# Altium PCB TE0722.Pcbdoc (part 1 of 2)
Units mm, origin at the board's own origin, x right, y up, seen from the top; angles counter-clockwise.
Board outline 17.9 x 51 mm, 6 copper layers (L 01, L 02, L 03, L 04, L 05, L 06), stack 0.726 mm thick; 69 components, 109 nets, 489 pads, 153 vias.
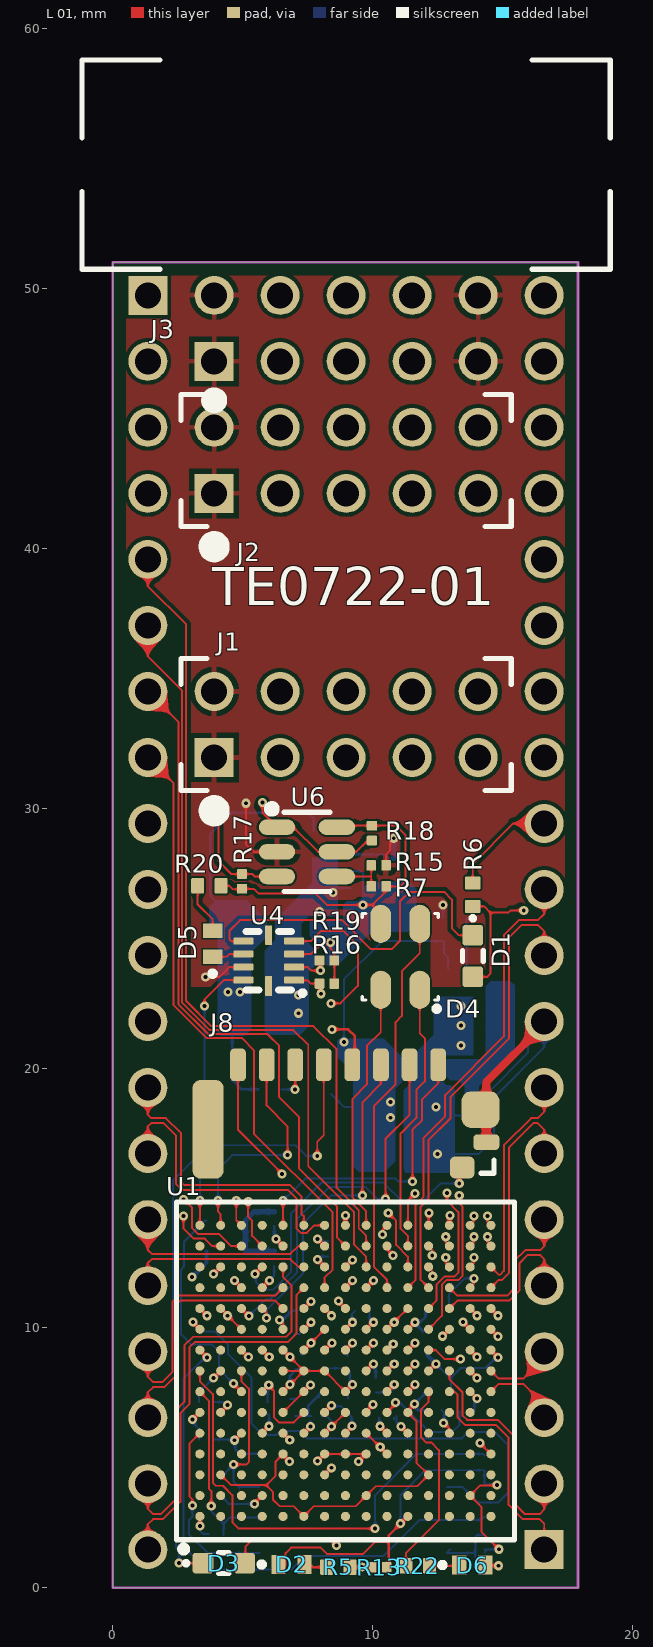
[diagram p0: L 01 view]
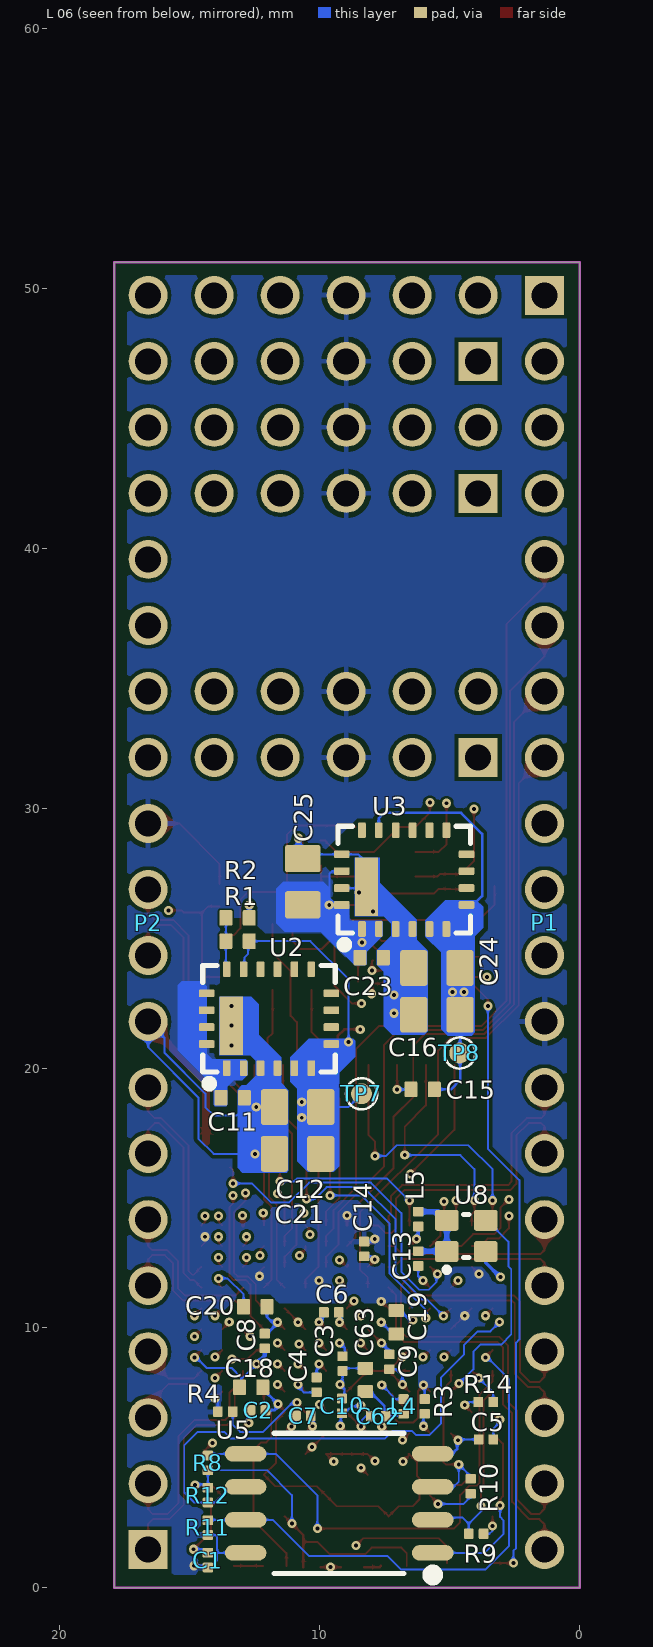
[diagram p1: L 06 view, seen from below]
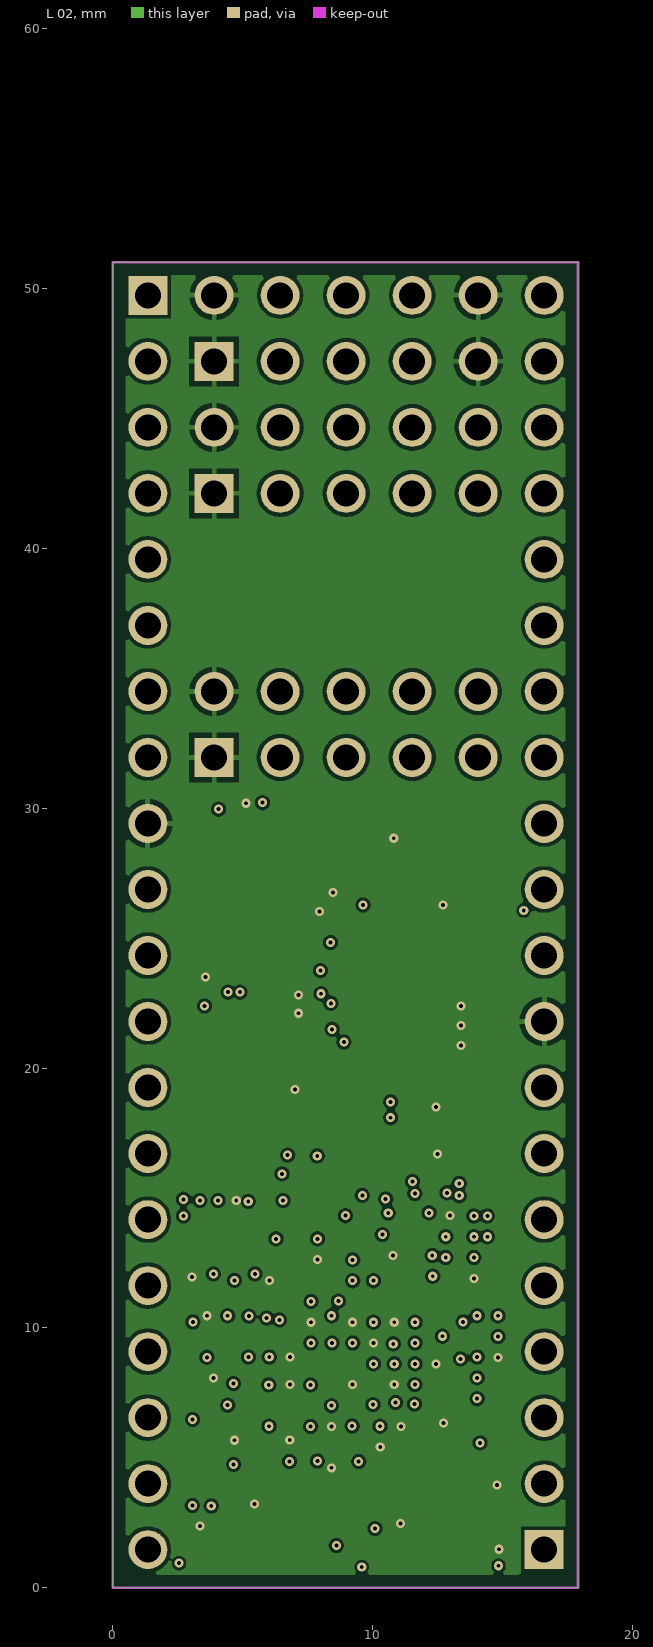
[diagram p2: L 02]
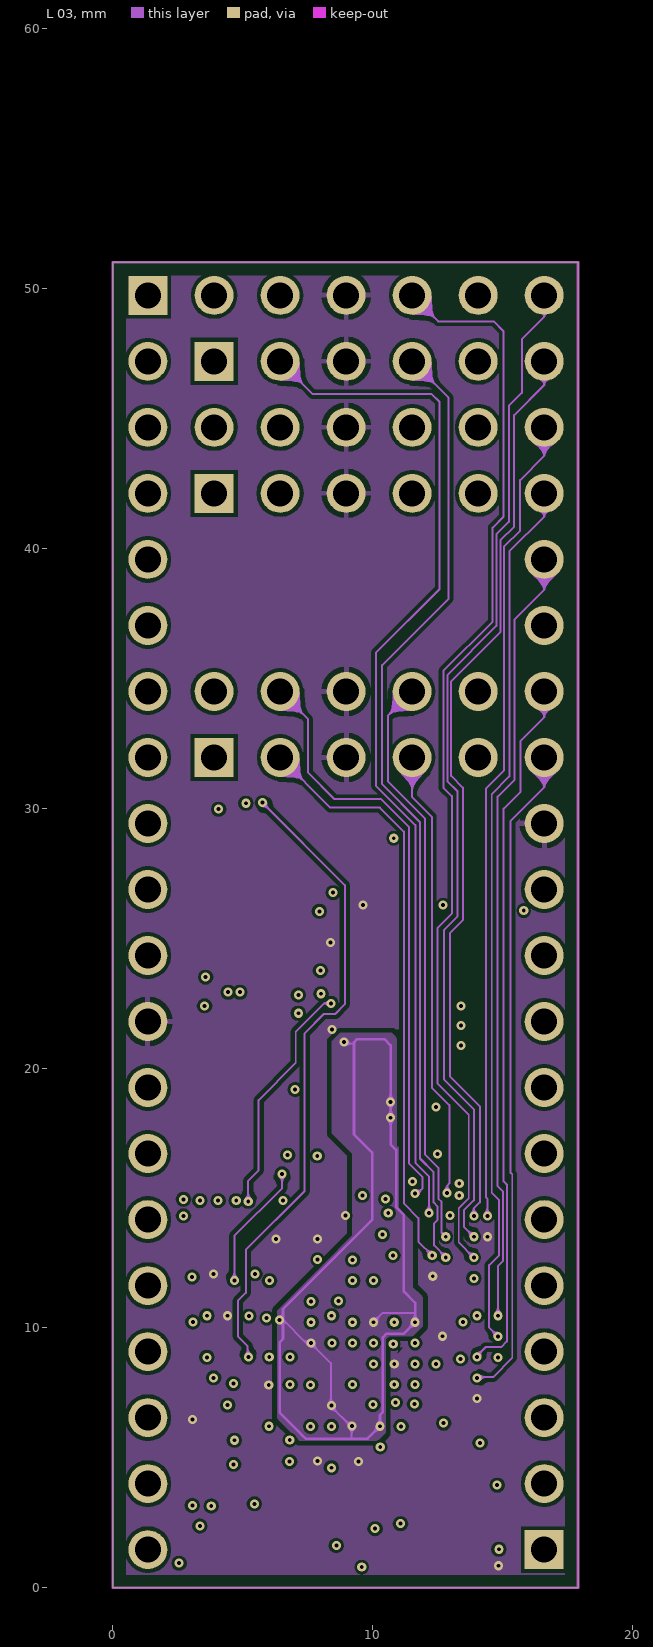
[diagram p3: L 03]
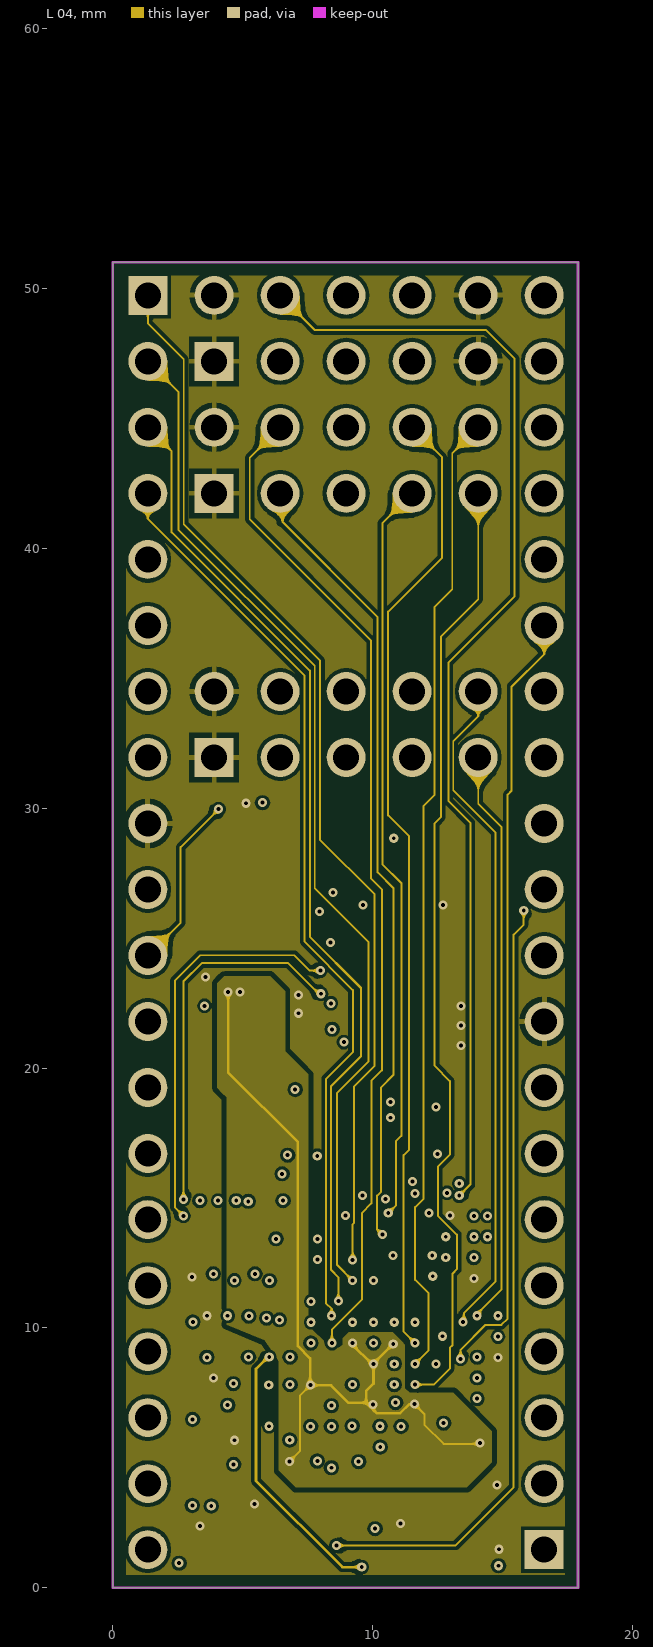
[diagram p4: L 04]
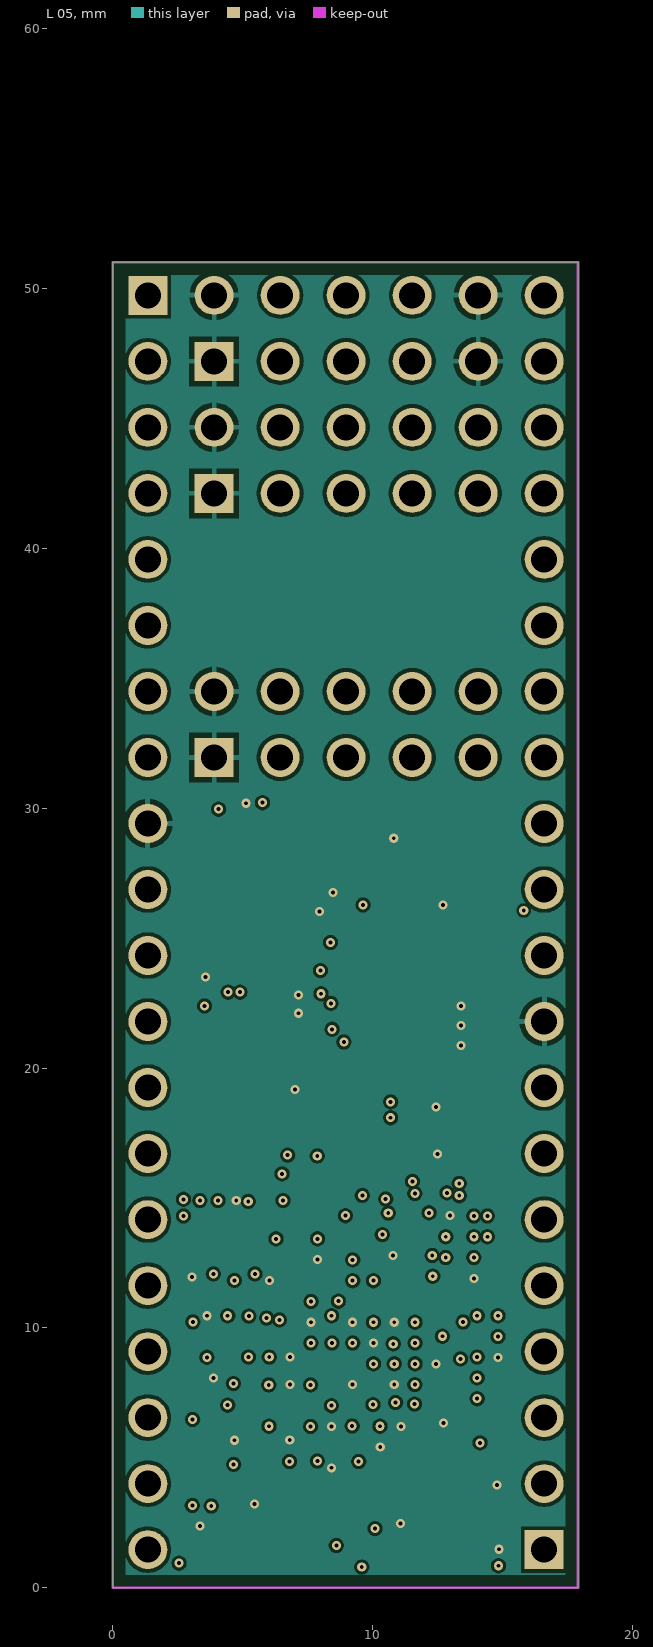
[diagram p5: L 05]

## Layer stack, top to bottom
Top Solder: solder mask 0.0102, Solder Resist, Dk 3.5
L 01: signal copper 0.012
Dielectric1: prepreg 0.11, FR-4, Dk 4.2
L 02: signal copper 0.018
Dielectric3: core 0.15, FR-4, Dk 4.2
L 03: signal copper 0.018
Dielectric2: prepreg 0.11, FR-4, Dk 4.2
L 04: signal copper 0.018
Dielectric5: core 0.15, FR-4, Dk 4.2
L 05: signal copper 0.018
Dielectric6: prepreg 0.11, FR-4, Dk 4.2
L 06: signal copper 0.012
Bottom Solder: solder mask 0.0102, Solder Resist, Dk 3.5

## Board outline
0,0 17.9,0 17.9,51 0,51

## Design rules (kind name [scope] priority, off if disabled: settings)
Clearance Clearance_keep-out [OnLayer('Keep-Out Layer')] p1: gap=0.45
Clearance [All] p2: gap=0.075 except(0.11: Arc-Via THPad-Via Via-Via Via-Poly SMDPad-Via Track-Via Fill-Poly; 0.15: Track-Poly THPad-Poly; 0.2: Poly-Poly Poly-Region)
ComponentClearance "ComponentClearance_J2PM\"" [(InComponent('J2')) vs (InComponent('PM2'))] p1: gap=-4 collisioncheckmode=3 verticalgap=-1 showdistances=FALSE
ComponentClearance ComponentClearance_H3U7 [(InComponent('H3')) vs (InComponent('U7'))] p2: gap=-0.5 collisioncheckmode=3 verticalgap=-1 showdistances=FALSE
ComponentClearance ComponentClearance_-0.5mm [HasFootprint('FIDU-DOT - small') OR HasFootprint('NetTieTOP_D35mm')or HasFootprint('MHole3_2mm')] p3: gap=-0.5 collisioncheckmode=3 verticalgap=-0.013 showdistances=FALSE
ComponentClearance [All] p4: gap=-0.05 collisioncheckmode=3 verticalgap=0.5 showdistances=TRUE
DiffPairsRouting [All] p1: maxlimit=1 minlimit=0.12 mostfreqgap=1 toplayer_maxgap=0.12 toplayer_prefgap=0.12 toplayer_minwidth=0.075 toplayer_maxwidth=0.1 toplayer_prefwidth=0.1 midlayer1_mingap=0.16 midlayer1_maxgap=0.16 midlayer1_prefgap=0.16 midlayer1_minwidth=0.1 midlayer1_maxwidth=0.1 midlayer1_prefwidth=0.1 midlayer2_mingap=1 midlayer2_minwidth=0.381 midlayer2_maxwidth=0.381 midlayer2_prefwidth=0.381 midlayer5_mingap=1 midlayer5_minwidth=0.381 midlayer5_maxwidth=0.381 midlayer5_prefwidth=0.381 midlayer6_mingap=1 midlayer6_minwidth=0.381 midlayer6_maxwidth=0.381 midlayer6_prefwidth=0.381 bottomlayer_maxgap=0.12 bottomlayer_prefgap=0.12 bottomlayer_minwidth=0.075 bottomlayer_maxwidth=0.1 bottomlayer_prefwidth=0.1 maxuncoupledlength=30
FabricationTestPointUsage TestPointUsage [All] p1: valid=0 allowmultiple=FALSE
FabricationTestpoint Testpoint [(IsPad And (OnTopLayer Or OnBottomLayer))] p1: side=3 testpointundercomponent=TRUE minsize=1.016 maxsize=2.54 preferedsize=1.524 minholesize=0 maxholesize=1.016 preferedholesize=0.813 testpointgrid=0.025 allowsidetop=TRUE allowsidebottom=TRUE usegrid=TRUE gridtolerance=0
FanoutControl Fanout_Small [All] p1 off: bgadir=Out bgaviamode=Centered fanoutstyle=Auto fanoutdirection=Alternating viagrid=0.025 // Protel DXP Scope 1 Expression Was: (CompPinCount < 5)   Fanout_Small (Default Rule)
FanoutControl Fanout_Default [All] p2: bgadir=Out bgaviamode=Centered fanoutstyle=Auto fanoutdirection=Alternating viagrid=0.025 // Fanout_Default (Default Rule)
FanoutControl Fanout_SOIC [All] p3 off: bgadir=Out bgaviamode=Centered fanoutstyle=Auto fanoutdirection=Alternating viagrid=0.025 // Protel DXP Scope 1 Expression Was: IsSOIC   Fanout_SOIC (Default Rule)
FanoutControl Fanout_BGA [All] p4 off: bgadir=Out bgaviamode=Centered fanoutstyle=Auto fanoutdirection=Alternating viagrid=0.025 // Protel DXP Scope 1 Expression Was: IsBGA   Fanout_BGA (Default Rule)
FanoutControl Fanout_LCC [All] p5 off: bgadir=Out bgaviamode=Centered fanoutstyle=Auto fanoutdirection=Alternating viagrid=0.025 // Protel DXP Scope 1 Expression Was: IsLCC   Fanout_LCC (Default Rule)
HoleSize [All] p1: absolutevalues=TRUE maxlimit=4 minlimit=0.15 maxpercent=80.000 minpercent=20.000
Length Lendht22mm [(InDifferentialPairClass('Lendht22mm'))] p1: maxlimit=22.2 minlimit=21.8
MatchedLengths "MatchedLengthsInDifPair< 0.5mm" [(InNetClass('D100-15') OR InNetClass('D100-25'))] p1: tolerance=0.5 checknetsindiffpair=TRUE checkdiffpairvsdiffpair=FALSE checkothers=FALSE
MatchedLengths "MatchedLengthsInDifPair< 1.5mm" [InAnyDifferentialPair] p2: tolerance=1.5 checknetsindiffpair=TRUE checkdiffpairvsdiffpair=FALSE checkothers=FALSE
MatchedLengths MatchedLengthsMCB_150Mil [InNetClass('MatchLendht150Mil') AND ((InNetClass('MCB1') OR InNetClass('MCB3')))] p3 off: tolerance=2.54 checknetsindiffpair=TRUE checkdiffpairvsdiffpair=TRUE checkothers=TRUE
MatchedLengths MatchedLengths300mil [InNetClass('MatchLendht300Mil')] p4 off: tolerance=2.54 checknetsindiffpair=FALSE checkdiffpairvsdiffpair=TRUE checkothers=TRUE
MinimumAnnularRing [All] p1: minimumring=0.099
MinimumSolderMaskSliver [All] p1 off: minsoldermaskwidth=0.01
PermittedLayers PermittedLayers-CAP3225 [(HasFootprint('CAPC3216N'))] p1: toplayerpermitted=TRUE bottomlayerpermitted=FALSE
PlaneClearance [All] p1: clearance=0.25
PlaneConnect PlaneConnect_Via [IsVia] p1: planeconnectstyle=Direct reliefexpansion=0.508 reliefentries=4 reliefconductorwidth=0.254 reliefairgap=0.254
PlaneConnect [All] p2: planeconnectstyle=Relief reliefexpansion=0.5 reliefentries=4 reliefconductorwidth=0.2 reliefairgap=0.25
PolygonConnect PolygonConnect_TopRilief [InPolygonClass('TopConnect')] p1: connectstyle=Relief reliefconductorwidth=0.254 reliefentries=4 polygonreliefangle="90 Angle" airgapwidth=0.2
PolygonConnect PolygonConnect_Direct [(HasFootprint('MHole2_7mm')) or IsVia or InComponent('H1') or InComponent('H2') or InComponent('H3') or InComponent('H4')] p2: connectstyle=Direct reliefconductorwidth=0.254 reliefentries=4 polygonreliefangle="90 Angle" airgapwidth=0.254 // Protel DXP Scope 1 Expression Was: IsVia
PolygonConnect [All] p3: connectstyle=Relief reliefconductorwidth=0.2 reliefentries=4 polygonreliefangle="90 Angle" airgapwidth=0.2
RoutingVias [All] p1: holewidth=0.25 width=0.5 viastyle="Through Hole" minholewidth=0.15 minwidth=0.3 maxholewidth=1 maxwidth=1.5
SMDNeckDown SMDNeckDown_80% [All] p1: percent=80.000
SMDToPlane [All] p1: distance=39370
SilkToSilkClearance [All] p1: silktosilkclearance=0.01
SilkToSolderMaskClearance SilkscreenOverComponentPads [IsPad] p1 off: minsilkscreentomaskgap=0.01 clearancetoexposedcopper=TRUE
SolderMaskExpansion SolderMaskExpansion_Via [IsVia] p1: expansion=-0.1
SolderMaskExpansion [All] p2: expansion=0
UnpouredPolygon [All] p1: allowunpoured=FALSE
Width Width_All_Differential_Pairs [(InDifferentialPairClass('All Differential Pairs'))] p1: maxlimit=1 minlimit=0.075 preferedwidth=1 toplayer_maxwidth=0.12 toplayer_prefwidth=0.1 midlayer1_minwidth=0.1 midlayer1_maxwidth=0.1 midlayer1_prefwidth=0.1 midlayer2_minwidth=1 midlayer5_minwidth=1 midlayer6_minwidth=1 bottomlayer_maxwidth=0.12 bottomlayer_prefwidth=0.1 minimp=50.000000 maximp=50.000000 favimp=50.000000
Width Logo [(InComponent('LOGO*'))] p2: maxlimit=0.254 minlimit=0.001 preferedwidth=0.254 // Protel DXP Scope 1 Expression Was: (InComponent('LOGO?'))
Width All [All] p3: maxlimit=3 minlimit=0.075 preferedwidth=0.1 minimp=50.000000 maximp=50.000000 favimp=50.000000
14 further rules are at their usual default settings.

## Classes and differential pairs
net class SD: MIO28 MIO29 MIO30 MIO31 MIO32 MIO33 NetJ8_4 NetJ8_6
net class MIO1: MIO34 MIO35 MIO36 MIO37 MIO38 MIO39 MIO48 MIO49 MIO52 MIO53
differential pair class Lendht22mm: MCB1_DRAM_CK MCB1_DRAM_DQS MCB1_DRAM_UDQ MCB3_DRAM_CK MCB3_DRAM_DQS MCB3_DRAM_UDQ
component class POWER: C11 C12 C23 C24 C25 R1 R2 R7 R15 R17 R18 U2 U3 U6
component class FPGA_B34: U1
component class FPGA_MIO: C1 C13 D1 D2 D3 D5 L5 R5 R6 R8 R9 R10 R11 R12 R13 R14 R16 R19 R20 U4 U5 U8
net class B34: B34_L12_N B34_L12_P B34_L13_N B34_L13_P B34_L17_N B34_L17_P B34_L20_N B34_L20_P B34_L22_N B34_L22_P P0 P1 P2 P3 P4 P5 P6 P7 P24 P25 P26 P27 P28 P29 P30 P31 PWM RGB_B RGB_G RGB_R X1A X1B X1C X1D X2A X2B X2C X2D X2E X2F
net class B35: B35_L1_N B35_L1_P B35_L2_N B35_L2_P B35_L3_N B35_L3_P B35_L5_N B35_L5_P
net class QSPI: SPI-CS SPI-DQ1/M1 SPI-DQ2/M2 SPI-DQ3/M3 SPI-DQO/M0 SPI-SCK
component class FPGA_PWR: C2 C3 C4 C5 C6 C7 C8 C9 C10 C14 C15 C16 C18 C19 C20 C21 C62 C63 D6 L4 R3 R4 R22 TP7 TP8
net class JTAG: TCK TDI TDO TMS
component class TE0722: D4 J1 J2 J3 J8 P1 P2
differential pair B35_L5: +B35_L5_P -B35_L5_N
differential pair B35_L3: +B35_L3_P -B35_L3_N
differential pair B35_L2: +B35_L2_P -B35_L2_N
differential pair B35_L1: +B35_L1_P -B35_L1_N
differential pair B34_L12: +B34_L12_P -B34_L12_N
differential pair B34_L13: +B34_L13_P -B34_L13_N
differential pair B34_L17: +B34_L17_P -B34_L17_N
differential pair B34_L20: +B34_L20_P -B34_L20_N
differential pair B34_L22: +B34_L22_P -B34_L22_N

## Components (designator, comment, footprint, x,y, rotation, side; value= is the part's Value field where it differs from the comment)
C1 "470nF" CAPC0603X33N 14.3,1.07 r90 bottom
C2 "470nF" CAPC0603X33N 12.37,6.84 r180 bottom
C3 "470nF" CAPC0603X33N 9.12,8.63 r270 bottom
C4 "470nF" CAPC0603X33N 10.12,7.81 r90 bottom
C5 "470nF" CAPC0603X33N 3.6,5.71 r180 bottom
C6 "470nF" CAPC0603X33N 9.55,10.6 r0 bottom
C7 "470nF" CAPC0603X33N 10.625,6.62 r180 bottom
C8 "470nF" CAPC0603X33N 12.11,9.5 r90 bottom
C9 "470nF" CAPC0603X33N 7.32,8.7 r90 bottom
C10 "470nF" CAPC0603X33N 9.14,7 r270 bottom
C11 "4.7µF" CAPC1005X60N 13.35,18.86 r180 bottom
C12 "47µF" CAPC2012X135N 10.85,18.5 r0 bottom
C13 "470nF" CAPC0603X33N 6.21,12.67 r270 bottom
C14 "470nF" CAPC0603X33N 8.29,13.04 r90 bottom
C15 "4.7µF" CAPC1005X60N 6.04,19.18 r0 bottom
C16 "47µF" CAPC2012X135N 5.487,22.05 r0 bottom
C18 "4.7µF" CAPC1005X60N 12.64,7.72 r0 bottom
C19 "4.7µF" CAPC1005X60N 7.06,10.22 r270 bottom
C20 "4.7µF" CAPC1005X60N 12.48,10.82 r0 bottom
C21 "47µF" CAPC2012X135N 10.85,16.7 r0 bottom
C23 "4.7µF" CAPC1005X60N 8,24.25 r180 bottom
C24 "47µF" CAPC2012X135N 5.487,23.85 r0 bottom
C25 "47µF" CAPC2012X135N 10.65,27.17 r90 bottom
C62 "470nF" CAPC0603X33N 7.75,6.61 r180 bottom
C63 "4.7µF" CAPC1005X60N 8.24,8 r270 bottom
D1 "Chip LED 0603 Super Red" chipLED_0603_Red 13.85,24.31 r270 top
D2 "LED Green SML-P11MTT86" LEDC1006X25N_GREEN 6.88,0.9 r180 top
D3 "Chip LED 0603 Super Red" chipLED_0603_Red 4.27,0.95 r0 top
D4 "LED, RGB, 3528 PLCC" PLCC150P360X280X190-4N 11.06,24.28 r180 top locked
D5 "LED Red SML-P11UTT86" LEDC1006X25N_RED 3.842,24.783 r270 top
D6 "LED Red SML-P11UTT86" LEDC1006X25N_RED 13.83,0.88 r180 top
J1 "Pin Header 2.54 2Row 10Pins" "STIFTLEISTE2_54 OG 2R-10" 8.98,33.22 r0 top locked
J2 "Pin Header 2.54 2Row 10Pins" "STIFTLEISTE2_54 OG 2R-10" 8.98,43.38 r0 top locked
J3 "WANNE2,54-10-90" WANNE2,54-10-90 8.98,48.46 r0 top locked
J8 "microSD Card Header with Detect Switch" 47309-2651 9.02,18.15 r0 top locked
L4 "BKP0603HS121-T" INDC0603X33N 6.77,6.98 r270 bottom
L5 "BKP0603HS121-T" INDC0603X33N 6.21,14.19 r90 bottom
P1 "con_20pin" con_20p254 1.35,25.6 r270 bottom locked
P2 "con_20pin" con_20p254 16.6,25.6 r90 bottom locked
R1 "200K" RESC1005X40N 13.16,24.88 r0 bottom
R2 "301K" RESC1005X40N 13.16,25.78 r180 bottom
R3 "4K7" RESC0603X26N 5.96,6.98 r90 bottom
R4 "4K7" RESC0603X26N 13.63,6.78 r0 bottom
R5 "470R" RESC1005X40N 8.68,0.8 r0 top
R6 "33R" RESC1005X40N 13.85,26.67 r90 top
R7 "19K1" RESC0603X26N 10.23,26.99 r0 top
R8 "19K1" RESC0603X26N 14.3,4.81 r270 bottom
R9 "19K1" RESC0603X26N 3.98,2.08 r180 bottom
R10 "19K1" RESC0603X26N 4.19,3.91 r270 bottom
R11 "19K1" RESC0603X26N 14.3,2.32 r270 bottom
R12 "19K1" RESC0603X26N 14.3,3.57 r90 bottom
R13 "19K1" RESC0603X26N 10.25,0.8 r0 top
R14 "19K1" RESC0603X26N 3.61,7.15 r180 bottom
R15 "10K" RESC0603X26N 10.23,27.8 r180 top
R16 "10K" RESC0603X26N 8.24,23.25 r0 top
R17 "19K1" RESC0603X26N 4.97,27.18 r270 top
R18 "19K1" RESC0603X26N 9.97,29.04 r90 top
R19 "10K" RESC0603X26N 8.24,24.14 r0 top
R20 "470R" RESC1005X40N 3.718,27.012 r180 top
R22 "470R" RESC1005X40N 11.73,0.85 r180 top
TP7 "Testpoint 0.8mm" TP_0.8mm 8.39,19.01 r90 bottom
TP8 "Testpoint 0.8mm" TP_0.8mm 4.61,20.58 r90 bottom
U1 "XC7Z010-1CLG225C" CLG225 8.95,8.35 r90 top locked
U2 "EN5311QI" EN5311QI 11.95,21.9 r90 bottom
U3 "EN5311QI" EN5311QI 6.75,27.25 r90 bottom
U4 "Si1143-A11-GMR" QFN50P200X200X75-10N 6,24.13 r180 top
U5 "S25FL127SABMFV10" SOIC127P790X216-8N 9.25,3.25 r0 bottom locked
U6 "TPS3106K33DBVR" SOT95P280X145-6N 7.47,28.32 r0 top
U8 "SiT8008AI-73-XXS-33.333333E" 2016 4.36,13.54 r90 bottom

## Footprints (in the part's own frame and the unit in brackets; to place one, negate y for a bottom-side part, rotate by r counter-clockwise, add the part's x,y. Pads: shape width x height; smd on the part's side, far side on the other; paste and mask are expansions set on the pad)
2016 [mm]
  rrect20% 0.8x0.9 smd: 1(-0.6,0.75) 2(-0.6,-0.75) 3(0.6,-0.75) 4(0.6,0.75)
  silkscreen extent -1.4,-0.1 0.82,0.85, body extent -0.82,-1.02 0.82,1.03, height 0.81
47309-2651 [mm]
  rrect50% 0.6x1.25 smd: 1(3.498,1.975) 2(2.398,1.975) 3(1.298,1.975) 4(0.198,1.975) 5(-0.903,1.975) 6(-2.003,1.975) 7(-3.103,1.975) 8(-4.203,1.975)
  rrect50% 1.2x3.79 smd: G1(-5.352,-0.505)
  rrect50% 1.45x1.4 smd: G2(5.127,0.25)
  rrect50% 1x0.6 smd: G3(5.352,-1)
  rrect50% 0.95x0.85 smd: G4(4.423,-1.975)
  silkscreen extent 5.15,-2.2 5.65,-1.7, body extent -5.75,-12 5.8,3.3, height 3.75
CAPC0603X33N [mm]
  rrect20% 0.37x0.4 smd: 1(-0.285,0) 2(0.285,0)
  body extent -0.3,-0.15 0.3,0.15, height 0.29
CAPC1005X60N [mm] "Vishay VJ0402 1 x 0.5mm (+/- 0.05), 0.25mm +0.05/-0.1mm Kontakte"
  rrect20% 0.5x0.6 smd: 1(-0.45,0) 2(0.45,0)
  body extent -0.5,-0.25 0.5,0.25, height 0.5
CAPC2012X135N [mm] "Vishay VJ0805 2 x 1.25 +/- 0.15, 0.5 +/- 0,2 Kontakte"
  rrect20% 1.05x1.38 smd: 1(-0.89,0) 2(0.89,0)
  body extent -1,-0.62 1,0.63, height 1.35
chipLED_0603_Red [mm]
  rrect30% 0.8x0.8 smd: A(0.8,0) K(-0.8,0)
  silkscreen extent -1.49,-0.4 0.2,0.4, body extent -0.8,-0.4 0.8,0.4, height 0.7
CLG225 [mm] "BGA, 225-Balls, Body 13x13mm, Pitch 0.8mm"
  round 0.35 smd: A1(-5.6,5.6) A2(-4.8,5.6) A3(-4,5.6) A4(-3.2,5.6) A5(-2.4,5.6) A6(-1.6,5.6) A7(-0.8,5.6) A8(0,5.6) A9(0.8,5.6) A10(1.6,5.6) A11(2.4,5.6) A12(3.2,5.6) A13(4,5.6) A14(4.8,5.6) A15(5.6,5.6) B1(-5.6,4.8) B2(-4.8,4.8) B3(-4,4.8) B4(-3.2,4.8) B5(-2.4,4.8) B6(-1.6,4.8) B7(-0.8,4.8) B8(0,4.8) B9(0.8,4.8) B10(1.6,4.8) B11(2.4,4.8) B12(3.2,4.8) B13(4,4.8) B14(4.8,4.8) B15(5.6,4.8) C1(-5.6,4) C2(-4.8,4) C3(-4,4) C4(-3.2,4) C5(-2.4,4) C6(-1.6,4) C7(-0.8,4) C8(0,4) C9(0.8,4) C10(1.6,4) C11(2.4,4) C12(3.2,4) C13(4,4) C14(4.8,4) C15(5.6,4) D1(-5.6,3.2) D2(-4.8,3.2) D3(-4,3.2) D4(-3.2,3.2) D5(-2.4,3.2) D6(-1.6,3.2) D7(-0.8,3.2) D8(0,3.2) D9(0.8,3.2) D10(1.6,3.2) D11(2.4,3.2) D12(3.2,3.2) D13(4,3.2) D14(4.8,3.2) D15(5.6,3.2) E1(-5.6,2.4) E2(-4.8,2.4) E3(-4,2.4) E4(-3.2,2.4) E5(-2.4,2.4) E6(-1.6,2.4) E7(-0.8,2.4) E8(0,2.4) E9(0.8,2.4) E10(1.6,2.4) E11(2.4,2.4) E12(3.2,2.4) E13(4,2.4) E14(4.8,2.4) E15(5.6,2.4) F1(-5.6,1.6) F2(-4.8,1.6) F3(-4,1.6) F4(-3.2,1.6) F5(-2.4,1.6) F6(-1.6,1.6) F7(-0.8,1.6) F8(0,1.6) F9(0.8,1.6) F10(1.6,1.6) F11(2.4,1.6) F12(3.2,1.6) F13(4,1.6) F14(4.8,1.6) F15(5.6,1.6) G1(-5.6,0.8) G2(-4.8,0.8) G3(-4,0.8) G4(-3.2,0.8) G5(-2.4,0.8) G6(-1.6,0.8) G7(-0.8,0.8) G8(0,0.8) G9(0.8,0.8) G10(1.6,0.8) G11(2.4,0.8) G12(3.2,0.8) G13(4,0.8) G14(4.8,0.8) G15(5.6,0.8) H1(-5.6,0) H2(-4.8,0) H3(-4,0) H4(-3.2,0) H5(-2.4,0) H6(-1.6,0) H7(-0.8,0) H8(0,0) H9(0.8,0) H10(1.6,0) H11(2.4,0) H12(3.2,0) H13(4,0) H14(4.8,0) H15(5.6,0) J1(-5.6,-0.8) J2(-4.8,-0.8) J3(-4,-0.8) J4(-3.2,-0.8) J5(-2.4,-0.8) J6(-1.6,-0.8) J7(-0.8,-0.8) J8(0,-0.8) J9(0.8,-0.8) J10(1.6,-0.8) J11(2.4,-0.8) J12(3.2,-0.8) J13(4,-0.8) J14(4.8,-0.8) J15(5.6,-0.8) K1(-5.6,-1.6) K2(-4.8,-1.6) K3(-4,-1.6) K4(-3.2,-1.6) K5(-2.4,-1.6) K6(-1.6,-1.6) K7(-0.8,-1.6) K8(0,-1.6) K9(0.8,-1.6) K10(1.6,-1.6) K11(2.4,-1.6) K12(3.2,-1.6) K13(4,-1.6) K14(4.8,-1.6) K15(5.6,-1.6) L1(-5.6,-2.4) L2(-4.8,-2.4) L3(-4,-2.4) L4(-3.2,-2.4) L5(-2.4,-2.4) L6(-1.6,-2.4) L7(-0.8,-2.4) L8(0,-2.4) L9(0.8,-2.4) L10(1.6,-2.4) L11(2.4,-2.4) L12(3.2,-2.4) L13(4,-2.4) L14(4.8,-2.4) L15(5.6,-2.4) M1(-5.6,-3.2) M2(-4.8,-3.2) M3(-4,-3.2) M4(-3.2,-3.2) M5(-2.4,-3.2) M6(-1.6,-3.2) M7(-0.8,-3.2) M8(0,-3.2) M9(0.8,-3.2) M10(1.6,-3.2) M11(2.4,-3.2) M12(3.2,-3.2) M13(4,-3.2) M14(4.8,-3.2) M15(5.6,-3.2) N1(-5.6,-4) N2(-4.8,-4) N3(-4,-4) N4(-3.2,-4) N5(-2.4,-4) N6(-1.6,-4) N7(-0.8,-4) N8(0,-4) N9(0.8,-4) N10(1.6,-4) N11(2.4,-4) N12(3.2,-4) N13(4,-4) N14(4.8,-4) N15(5.6,-4) P1(-5.6,-4.8) P2(-4.8,-4.8) P3(-4,-4.8) P4(-3.2,-4.8) P5(-2.4,-4.8) P6(-1.6,-4.8) P7(-0.8,-4.8) P8(0,-4.8) P9(0.8,-4.8) P10(1.6,-4.8) P11(2.4,-4.8) P12(3.2,-4.8) P13(4,-4.8) P14(4.8,-4.8) P15(5.6,-4.8) R1(-5.6,-5.6) R2(-4.8,-5.6) R3(-4,-5.6) R4(-3.2,-5.6) R5(-2.4,-5.6) R6(-1.6,-5.6) R7(-0.8,-5.6) R8(0,-5.6) R9(0.8,-5.6) R10(1.6,-5.6) R11(2.4,-5.6) R12(3.2,-5.6) R13(4,-5.6) R14(4.8,-5.6) R15(5.6,-5.6)
  silkscreen extent -6.98,-6.5 6.5,6.5, body extent -6.5,-6.5 6.5,6.5, height 1.51
con_20p254 [mm]
  rect 1.5x1.5 hole 1: 1(-24.13,0)
  round 1.5 hole 1: 2(-21.59,0) 3(-19.05,0) 4(-16.51,0) 5(-13.97,0) 6(-11.43,0) 7(-8.89,0) 8(-6.35,0) 9(-3.81,0) 10(-1.27,0) 11(1.27,0) 12(3.81,0) 13(6.35,0) 14(8.89,0) 15(11.43,0) 16(13.97,0) 17(16.51,0) 18(19.05,0) 19(21.59,0) 20(24.13,0)
  body extent -25.3,-1.25 25.5,1.25, height 6.2
EN5311QI [mm]
  rrect33% 0.6x0.3 smd: 1(-1.9,1.625) 2(-1.9,0.975) 3(-1.9,0.325) 4(-1.9,-0.325) 5(-1.9,-0.975) 6(-1.9,-1.625) 11(1.9,-1.625) 12(1.9,-0.975) 13(1.9,-0.325) 14(1.9,0.325) 15(1.9,0.975) 16(1.9,1.625)
  rrect33% 0.3x0.6 smd: 7(-0.975,-2.4) 8(-0.325,-2.4) 9(0.325,-2.4) 10(0.975,-2.4) 17(0.975,2.4) 18(0.325,2.4) 19(-0.325,2.4) 20(-0.975,2.4)
  rect 2.25x0.9 smd: 21(-0.275,1.45)
  silkscreen extent -2.65,-2.55 2.05,2.55, body extent -2.05,-2.55 2.05,2.55, height 1.16
INDC0603X33N [mm]
  rrect20% 0.37x0.4 smd: 1(-0.285,0) 2(0.285,0)
  body extent -0.32,-0.17 0.32,0.17, height 0.33
LEDC1006X25N_GREEN [mm] "LED 0402, 2-Leads, Body 1,0x0,6mm, IPC Medium Density"
  rect 0.54x0.74 smd: A(-0.5,0) K(0.5,0)
  silkscreen extent 1.05,-0.1 1.25,0.1, body extent -0.51,-0.25 0.51,0.25, height 0.45
LEDC1006X25N_RED [mm] "LED 0402, 2-Leads, Body 1,0x0,6mm, IPC Medium Density"
  rect 0.54x0.74 smd: A(-0.5,0) K(0.5,0)
  silkscreen extent 1.05,-0.1 1.25,0.1, body extent -0.5,-0.25 0.51,0.25, height 0.45
PLCC150P360X280X190-4N [mm]
  oval 0.8x1.47 smd: 1(-0.75,1.27) 2(-0.75,-1.27) 3(0.75,-1.27) 4(0.75,1.27)
  silkscreen extent -1.5,-1.66 1.46,2.1, body extent -1.4,-1.75 1.4,1.75, height 1.9
QFN50P200X200X75-10N [mm] "QFN, 10-Leads, Body 2x2mm, Pitch 0.5mm"
  rrect20% 0.76x0.27 smd: 1(-0.975,0.75) 2(-0.975,0.25) 3(-0.975,-0.25) 4(-0.975,-0.75) 6(0.975,-0.75) 7(0.975,-0.25) 8(0.975,0.25) 9(0.975,0.75)
  rrect20% 0.27x0.76 smd: 5(0,-0.975) 10(0,0.975)
  silkscreen extent -1.36,-1.12 0.87,1.31, body extent -1,-1 1,1, height 0.76
RESC0603X26N [mm]
  rrect20% 0.37x0.4 smd: 1(-0.285,0) 2(0.285,0)
  body extent -0.34,-0.16 0.34,0.17, height 0.34
RESC1005X40N [mm] "Vishay D0402 1 x 0.5mm (+/- 0.05), 0.2mm +/-0.1mm Kontakte"
  rrect20% 0.5x0.6 smd: 1(-0.45,0) 2(0.45,0)
  body extent -0.5,-0.25 0.5,0.25, height 0.35
SOIC127P790X216-8N [mm]
  oval 1.6x0.6 smd: 1(-3.6,1.905) 2(-3.6,0.635) 3(-3.6,-0.635) 4(-3.6,-1.905) 5(3.6,-1.905) 6(3.6,-0.635) 7(3.6,0.635) 8(3.6,1.905)
  silkscreen extent -3.8,-2.7 2.5,2.95, body extent -4.05,-2.73 4.05,2.73, height 1.75
SOT95P280X145-6N [mm]
  oval 1.4x0.6 smd: 1(-1.15,0.95) 2(-1.15,0) 3(-1.15,-0.95) 4(1.15,-0.95) 5(1.15,0) 6(1.15,0.95)
  silkscreen extent -1.5,-1.53 0.87,1.8, body extent -1.52,-1.5 1.48,1.5, height 1.3
"STIFTLEISTE2_54 OG 2R-10" [mm]
  rect 1.5x1.5 hole 1: 1(-5.08,-1.27)
  round 1.5 hole 1: 2(-5.08,1.27) 3(-2.54,-1.27) 4(-2.54,1.27) 5(0,-1.27) 6(0,1.27) 7(2.54,-1.27) 8(2.54,1.27) 9(5.08,-1.27) 10(5.08,1.27)
  silkscreen extent -6.35,-3.62 6.35,2.54, body extent -6.35,-2.54 6.35,2.54, height 8.5
TP_0.8mm [mm]
  round 0.8 smd paste-1: 1(0,0)
  silkscreen extent -0.6,-0.6 0.6,0.6
WANNE2,54-10-90 [mm] "Connector; IDC, Low Profile Male Header, Thru-Hole; 10 Position; Vertical; Pitch 2.54 mm; Body 20.32 x 9.2 x 9.45 mm (LxWxH)"
  rect 1.5x1.5 hole 1: 1(-5.08,-1.27)
  round 1.5 hole 1: 2(-5.08,1.27) 3(-2.54,-1.27) 4(-2.54,1.27) 5(0,-1.27) 6(0,1.27) 7(2.54,-1.27) 8(2.54,1.27) 9(5.08,-1.27) 10(5.08,1.27)
  silkscreen extent -10.16,-3.02 10.16,10.32, body extent -10.16,-1.6 10.16,10.92, height 9.45

## Part data
C1 C2 C3 C4 C5 C6 C7 C8 C9 C10 C13 C14 C62: library part 24921, "KON 470nF X5R 6.3V SMD 20%"
C11 C15 C18 C19 C20 C23 C63: library part 24719, "KON 4.7µF 6.3V X5R SMD 20%"
C12 C16 C21 C24 C25: library part 24718, "KON 47µF 6,3V  X5R SMD 20%"
D1 D3: library part 25984
D2: library part 24211, "LED Grün SML-P11MTT86 SMD"
D4: library part 26299
D5 D6: library part 24212, "LED Rot SML-P11UTT86 SMD"
J1 J2: library part 22402, "Stiftleiste gerade 2-reihig, 10pol."
J3: library part 20605, "Stiftleiste Wanne 10polig 90°"
J8: library part 24994
L4 L5: library part 25393, "Ferritdurchführung SMD 0201"
P1 P2: library part con20p254, "con_20pin_254_1row"
R1: library part 23846, "WID SMD 200K 1% 0,063W"
R2: library part 26224, "WID SMD 301K 1% 0,063W"
R3 R4: library part 25242, "WID SMD 4K7 1% 0,05W"
R5 R20 R22: library part 22769, "WID SMD 470R 1% 0,063W"
R6: library part 22770, "WID SMD 33R 1% 0,063W"
R7 R8 R9 R10 R11 R12 R13 R14 R17 R18: library part 25053, "WID SMD 19K1 1% 0,05W"
R15 R16 R19: library part 24914, "WID SMD 10K 1% 0,05W"
TP7 TP8: library part 26289
U1: library part 26308
U2 U3: library part 25492
U4: library part 26318
U5: library part 26078, "S25FL127SABMFV10 automotive SO8"
U6: library part 26439
U8: library part 25023, "SiT8008AI-73-XXS-33.333333E MEMS Oszillator 33.333333MHz"

## Via types
v1: diameter 0.35, hole 0.15, L 01 to L 06, 153 vias

## Nets (pads, with @x,y where several pads share a name; then routed paths per layer and width w, separated by ;. In a path a pad name is that pad's centre, name@x,y a point inside that pad or via, vN(x,y) a via of type N, cw(c..) or ccw(c..) an arc to the next point about the centre after c; other vN are vias at no path point)
1.0V: C6.2 C7.2 C8.2 C9.2 C10.2 C12.1 C19.1 C20.1 C21.1 R1.1 TP7.1 U1.E10 U1.F9 U1.G6 U1.G10 U1.H5 U1.J10 U1.K5 U1.L10 U2.5 U2.6 U2.7 U2.15 | length 70.5
  L 01 w0.075: U1.F9@7.38,9.18 v1(7.62,9.42) U1.G10@8.15,9.95 ; U1.G6@8.15,6.75 v1(8.41,7.01) ; U1.H5@8.95,5.95 v1@9.22,6.22 ; U1.J10@9.75,9.95 v1@10.025,10.225 ; v1(10.28,6.22) U1.K5@10.55,5.95 ; U1.L10@11.35,9.95 v1@11.625,10.225
  L 01 w0.1: v1(6.41,10.31) 6.55,10.17 U1.E10@6.55,9.95
  L 03 w0.075: v1@6.55,10.32 7.45,9.42 v1(7.62,9.42) 8.39,8.65 8.39,6.99 9.19,6.19 9.19,5.74 ; v1(8.89,21) 8.96,21 9.025,20.935 9.225,20.935 ; v1@9.99,10.19 10.37,10.57 11.63,10.57
  L 03 w0.1: 9.28,17.48 9.28,17.45 ; 9.28,17.45 9.98,16.75 9.98,14.16 6.55,10.73 6.55,10.32 6.55,9.58 6.42,9.45 6.42,6.74 7.28,5.88 7.42,5.74 9.8,5.74 9.94,5.88 v1(10.28,6.22) 10.28,6.65 10.39,6.76 10.39,9.64 10.52,9.77 11.18,9.77 v1(11.63,10.22) 11.63,10.97 11.2,11.4 11.2,14.35 10.9,14.65 10.9,16.85 10.69,17.06 v1(10.69,18.09) v1(10.69,18.7) 10.69,20.87 10.45,21.11 9.4,21.11 9.28,20.99 9.28,17.45
  L 06 w0.075: C9.2@7.23,8.985 C9.2@7.32,8.985 C9.2@7.32,9.12 ; v1@8.39,6.99 8.775,6.99 9.19,6.575 v1@9.19,6.19 ; TP7.1@8.39,19.01 8.9,18.5 C12.1@9.96,18.5 ; v1(8.89,21) 8.89,23.41 10.36,24.88 R1.1@12.71,24.88 12.75,24.84 12.75,24.4 12.9,24.25 12.9,23.825 U2.15@12.925,23.8 ; v1@8.935,20.925 U2.7@9.55,20.925 ; C6.2@9.885,10.65 9.885,10.295 v1@9.99,10.19 ; C21.1@9.96,16.7 C12.1@9.96,18.5 ; C7.2@10.25,6.55 10.25,6.25 v1(10.28,6.22) 10.31,6.19 v1@10.39,6.27 ; U2.6@10.325,20 10.325,19.535 10.615,19.245 ; v1@10.81,18.7 v1(10.69,18.7) 10.16,18.7 C12.1@9.96,18.5 ; U2.5@10.975,20 10.975,19.605 10.615,19.245 ; 10.615,19.245 10.42,19.05 10.81,19.05 10.615,19.245
  L 06 w0.1: v1@6.55,10.32 6.9,10.67 C19.1@7.07,10.67 ; C9.2@7.32,9.12 v1(7.62,9.42) ; v1@11.59,10.19 v1@11.62,10.19 ; C20.1@12.03,10.82 12.03,10.43 11.79,10.19 v1@11.62,10.19 ; C8.2@12.175,9.89 11.92,9.89 v1@11.62,10.19
  other v1: 9.21,6.23 10.03,10.22
1.8V: C2.2 C3.1 C4.2 C15.1 C16.1 C18.1 C24.1 L4.1 TP8.1 U1.B3 U1.E4 U1.E6 U1.F1 U1.F7 U1.H9 U1.J2 U1.J6 U1.J8 U1.K9 U1.L6 U1.M3 U1.R4 U3.5 U3.6 U3.7 U3.15 | length 73.7
  L 01 w0.075: U1.B3@4.15,4.35 4.55,3.95 5.9,3.95 ; U1.E4@6.55,5.11 v1(6.8,4.86) ; U1.E6@6.55,6.75 U1.F7@7.335,7.535 ; U1.E4@6.59,5.15 U1.E4@6.55,5.15 6.262,4.862 6.262,4.312 5.9,3.95 ; U1.F7@7.35,7.55 v1(7.61,7.81) ; U1.H9@8.95,9.15 v1@9.225,9.425 ; U1.J6@9.75,6.75 9.75,6.79 v1(10.01,7.05) ; U1.J8@9.75,8.35 v1@10.025,8.625 ; U1.K9@10.55,9.15 v1(10.79,9.39) ; U1.L6@11.405,6.865 U1.L6@11.35,6.81 ; v1@11.57,7.09 v1@11.57,7.03 ; v1(11.61,7.07) v1@11.57,7.03 ; v1@14.125,5.575 U1.R4@14.55,5.15 ; 5.9,3.95 6.16,3.69 6.16,3.4 6.42,3.14 6.96,3.14 U1.F1@7.35,2.75 7.74,3.14 9.34,3.14 U1.J2@9.75,3.55 10.11,3.91 11.71,3.91 U1.M3@12.15,4.35 11.68,4.82 11.68,6.42 U1.L6@11.35,6.75 U1.L6@11.35,6.81 ; U1.L6@11.35,6.81 v1@11.57,7.03
  L 04 w0.075: v1(6.8,4.86) 7.2,5.26 7.2,7.4 7.59,7.79 v1(7.61,7.81) ; v1(11.61,7.07) 11.99,6.69 11.99,6.28 12.73,5.54 v1@14.16,5.54
  L 04 w0.1: v1(4.44,22.92) 4.44,19.83 7.12,17.15 7.12,9.3 7.59,8.83 7.59,7.79 8.4,7.79 9.07,7.12 9.75,7.12 ; v1@9.19,9.39 v1@9.99,8.59 ; v1(10.03,8.62) v1@10.03,8.55 ; v1@10.04,8.54 v1@10.03,8.55 ; v1(10.79,9.39) v1@9.99,8.59 ; v1(11.61,7.07) 11.41,7.07 11.06,6.72 10.15,6.72 9.75,7.12 ; 9.75,7.12 9.75,7.58 10.03,7.86 v1@10.03,8.55 ; v1@9.99,8.59 v1@10.03,8.55
  L 06 w0.075: L4.1@6.82,7.265 7.065,7.265 v1(7.61,7.81) ; C3.1@9.03,8.915 9.03,9.23 v1@9.19,9.39
  L 06 w0.1: U3.7@4.095,26.275 3.75,26.62 3.75,29.01 4.56,29.82 7.52,29.82 7.725,29.615 U3.15@7.725,29.15 ; U3.7@4.35,26.275 3.895,26.275 3.79,26.17 3.79,25.77 4.597,24.962 C24.1@4.597,23.947 ; TP8.1@4.61,20.58 TP8.1@4.597,20.592 ; U3.6@5.125,25.35 5.125,24.475 ; C15.1@5.59,19.18 4.95,19.18 4.597,19.532 TP8.1@4.597,20.592 ; U3.5@5.775,25.35 5.775,25.125 5.125,24.475 ; v1@9.99,8.59 9.99,8.51 10.12,8.38 C4.2@10.12,8.095 ; C2.2@12.085,6.84 11.74,6.84 11.59,6.99 11.59,7.05 v1(11.61,7.07) C18.1@12.26,7.72 ; TP8.1@4.597,20.592 C16.1@4.597,22.05 C24.1@4.597,23.85 ; C24.1@4.597,23.85 5.125,24.377 5.125,24.475 ; C24.1@4.597,23.85 C24.1@4.597,23.947 ; C24.1@4.597,23.947 5.125,24.475
  other v1: 14.13,5.58 9.23,9.42 4.89,22.92
3.3V: C1.1 C5.2 C11.1 C14.2 C23.1 C25.1 D4.3 D6.A J1.5 J1.6 J2.5 J2.6 J3.5 J3.6 J8.4 L5.1 P1.12 P2.12 R3.2 R4.2 R6.2 R7.2 R11.2 R16.2 R17.2 R18.2 R19.2 R20.1 U1.A6 U1.B11 U1.B13 U1.C10 U1.D7 U1.E14 U1.F6 U1.F11 U1.G4 U1.G14 U1.H4 U1.H15 U1.J4 U1.J12 U1.K8 U1.M13 U1.N10 U1.P7 U1.R14 U2.1 U2.2 U2.17 U2.18 U2.19 U2.20 U3.1 U3.2 U3.18 U3.20 U4.3 U5.8 U6.6 | length 57.1
  L 01 w0.075: v1@3.075,6.475 U1.A6@3.35,6.75 ; v1@3.875,12.075 U1.B13@4.15,12.35 ; U1.B11@4.15,10.75 4.425,10.475 U1.C10@4.95,9.95 ; R20.1@4.168,27.012 4.488,27.012 4.62,26.88 4.955,26.88 R17.2@4.97,26.895 5.425,26.895 5.61,26.71 7.8,26.71 8.235,26.275 v1(9.63,26.275) 9.985,26.275 ; U1.D7@5.75,7.55 5.99,7.79 6.21,7.57 6.21,6.55 6.39,6.37 6.97,6.37 U1.F6@7.35,6.75 ; v1@6.275,13.425 U1.E14@6.55,13.15 ; U4.3@6.875,24.38 7.62,24.38 8.07,24.83 v1(8.375,24.83) 8.375,24.61 8.525,24.46 R19.2@8.525,24.14 R16.2@8.525,23.32 ; U1.F11@7.35,10.75 v1@7.625,11.025 ; v1@7.875,4.875 U1.G4@8.15,5.15 U1.H4@8.95,5.15 U1.J4@9.75,5.15 v1(9.46,4.86) ; v1@7.875,13.425 U1.G14@8.15,13.15 ; U6.6@8.62,29.27 8.675,29.325 R18.2@9.97,29.325 10.905,29.325 11.26,28.97 11.26,27.19 11.06,26.99 R7.2@10.515,26.99 10.515,26.805 9.985,26.275 ; U1.J12@9.75,11.55 v1@10.025,11.825 ; D4.3@10.31,25.55 10.31,25.95 9.985,26.275 ; U1.K8@10.55,8.35 v1@10.825,8.625 ; U1.M13@12.15,12.35 12.15,12.33 12.29,12.19 v1@12.29,11.97 ; v1(12.68,9.68) U1.N10@12.95,9.95 ; U1.P7@13.75,7.55 v1(14.02,7.28) ; R6.2@13.85,27.08 13.85,27.85 15.41,29.41 P2.12@16.6,29.41 ; D6.A@14.3,0.85 v1(14.84,0.85) ; v1(14.41,13.51) 14.41,13.29 U1.R14@14.55,13.15
  L 01 w0.1: v1(8.44,21.49) 8.92,21.49 9.05,21.49 9.31,21.23 9.31,20.217 J8.4@9.225,20.132 ; U1.H15@8.95,13.95 v1(8.95,14.32) ; J8.4@9.225,20.132 9.225,20.125 J8.4@9.217,20.125 J8.4@9.225,20.132
  L 06 w0.075: v1@3.11,6.51 3.11,6.33 3.315,6.125 C5.2@3.315,5.71 ; R3.2@5.96,7.125 5.96,7.76 v1@5.99,7.79 ; U3.2@7.725,25.35 7.725,25.005 C23.1@8.375,24.355 ; v1(7.88,13.43) 7.985,13.325 C14.2@8.29,13.325 ; U3.1@8.375,25.35 v1(8.375,24.83) C23.1@8.375,24.355 ; C23.1@8.45,24.25 8.375,24.325 C23.1@8.375,24.355 ; U3.20@9.15,26.275 v1(9.63,26.275) ; U3.18@9.15,27.575 9.525,27.575 9.63,27.47 v1(9.63,26.275) ; C25.1@10.65,26.28 10.645,26.275 v1(9.63,26.275) ; U2.2@12.925,20 12.925,19.665 13.015,19.575 13.575,19.575 ; U5.8@12.99,1.485 U5.8@12.85,1.345 13.885,1.345 13.95,1.41 ; U2.1@13.575,20 13.575,19.575 ; C11.1@13.8,18.86 13.8,19.35 13.575,19.575 ; R4.2@13.915,6.78 13.915,7.235 v1@13.99,7.31 ; 14.095,0.915 13.95,1.06 13.95,1.41 ; C1.1@14.3,0.785 14.365,0.85 v1(14.84,0.85) v1@14.775,0.915 ; R11.2@14.3,2.035 14.015,2.035 13.95,1.97 13.95,1.41 ; U2.20@14.35,20.925 15.42,20.925 ; U2.19@14.35,21.575 15.405,21.575 15.42,21.59 ; U2.18@14.35,22.225 15.415,22.225 15.42,22.23 15.42,21.59 ; U2.17@14.35,22.875 14.985,22.875 15.11,23 ; 13.575,19.575 14.305,19.575 15.42,20.69 15.42,21.59
  L 06 w0.1: L5.1@6.21,13.905 6.21,13.49 v1@6.31,13.39
  other v1: 7.87,4.88 3.07,6.48 6,7.81 10.83,8.62 4.42,10.47 7.63,11.02 10.03,11.82 12.31,11.99 3.87,12.08 6.28,13.43
B34_L4_N: J2.3 U1.K15 | length 31.2
  L 01 w0.075: v1(10.37,13.59) 10.37,13.77 U1.K15@10.55,13.95
  L 04 w0.075: J2.3@6.53,42.2 6.53,41.01 10.19,37.35 10.19,27.53 10.8,26.92 10.8,19.74 10.32,19.26 10.32,15.24 10.17,15.09 10.17,13.79 v1(10.37,13.59)
B34_L10_N: U1.K13
B34_L10_P: J2.7 U1.L13 | length 31.1
  L 01 w0.075: v1(10.6,14.42) 10.9,14.12 10.9,13.65 10.9,13.193 11.35,12.743 U1.L13@11.35,12.35
  L 04 w0.075: v1(10.6,14.42) 10.89,14.71 10.89,17.18 11.1,17.39 11.1,27.12 10.37,27.85 10.37,40.96 J2.7@11.52,42.11
B34_L12_N: P2.10 U1.M12 | length 17.6
  L 01 w0.075: U1.M12@12.15,11.55 11.847,11.852 11.847,14.655 12.142,14.949 12.142,17.216 12.985,18.059 12.985,18.879 15.245,21.139 15.245,25.029 15.718,25.502 16.37,25.502 16.6,25.272 P2.10@16.6,24.33
B34_L12_P: P2.11 U1.L12 | length 17.9
  L 01 w0.075: U1.L12@11.35,11.55 11.652,11.852 11.652,14.736 11.947,15.03 11.947,17.297 12.79,18.14 12.79,18.96 15.05,21.22 15.05,25.11 15.637,25.697 16.37,25.697 16.6,25.927 P2.11@16.6,26.87
B34_L13_N: P2.6 U1.N12 | length 6.2
  L 01 w0.075: U1.N12@12.95,11.55 13.252,11.247 15.172,11.247 15.455,11.531 15.455,12.581 15.872,12.997 16.45,12.997 16.6,13.147 P2.6@16.6,14.17
B34_L13_P: P2.5 U1.N11 | length 6.2
  L 01 w0.075: U1.N11@12.95,10.75 13.252,11.052 15.252,11.052 15.65,11.45 15.65,12.5 15.952,12.802 16.45,12.802 16.6,12.652 P2.5@16.6,11.63
B34_L17_N: P2.8 U1.R13 | length 8.5
  L 01 w0.075: U1.R13@14.55,12.35 14.852,12.047 14.9,12.047 15.05,12.197 15.05,17.03 16.097,18.077 16.35,18.077 16.6,18.327 P2.8@16.6,19.25
B34_L17_P: P2.7 U1.R12 | length 8.5
  L 01 w0.075: U1.R12@14.55,11.55 14.852,11.852 14.981,11.852 15.245,12.117 15.245,16.949 16.178,17.882 16.35,17.882 16.6,17.632 P2.7@16.6,16.71
B34_L20_N: P2.4 U1.R8 | length 2.7
  L 01 w0.075: U1.R8@14.55,8.35 14.852,8.047 15.8,8.047 16.6,8.847 P2.4@16.6,9.09
B34_L20_P: P2.3 U1.R7 | length 3
  L 01 w0.075: U1.R7@14.55,7.55 14.852,7.852 15.8,7.852 16.6,7.052 P2.3@16.6,6.55
B34_L22_N: P2.2 U1.N8 | length 9.2
  L 01 w0.075: U1.N8@12.95,8.35 12.95,8.03 13.462,7.517 13.462,6.631 13.631,6.462 14.813,6.462 15.425,5.851 15.425,3.275 15.86,2.84 16.417,2.84 16.42,2.837 16.6,3.017 P2.2@16.6,4.01
B34_L22_P: P2.1 U1.N7 | length 8.8
  L 01 w0.075: U1.N7@12.95,7.55 13.147,7.55 13.267,7.43 13.267,6.55 13.55,6.267 14.732,6.267 15.23,5.77 15.23,3.194 15.779,2.645 16.337,2.645 16.339,2.642 16.42,2.642 16.6,2.462 P2.1@16.6,1.47
B35_L1_N: P1.19 U1.E13 | length 15.4
  L 01 w0.075: P1.19@1.35,4.01 1.35,3.037 1.55,2.837 1.85,2.837 2.405,3.392 2.405,6.805 2.755,7.155 2.755,9.331 3.087,9.662 6.669,9.662 6.867,9.861 6.867,11.639 6.55,11.957 U1.E13@6.55,12.35
B35_L1_P: P1.20 U1.F12 | length 14.9
  L 01 w0.075: P1.20@1.35,1.47 1.35,2.442 1.55,2.642 1.931,2.642 2.6,3.312 2.6,6.724 2.95,7.074 2.95,9.25 3.167,9.467 6.75,9.467 7.062,9.78 7.062,11.262 U1.F12@7.35,11.55
B35_L2_N: P1.17 U1.E12 | length 9.3
  L 01 w0.075: P1.17@1.35,9.09 1.35,8.117 1.55,7.917 1.9,7.917 2.3,8.317 2.3,11.026 2.522,11.247 6.247,11.247 U1.E12@6.55,11.55
B35_L2_P: P1.18 U1.E11 | length 9.3
  L 01 w0.075: P1.18@1.35,6.55 1.35,7.522 1.55,7.722 1.981,7.722 2.495,8.237 2.495,10.945 2.602,11.052 6.247,11.052 U1.E11@6.55,10.75